# KiCad board mtt_final.kicad_pcb (continued)
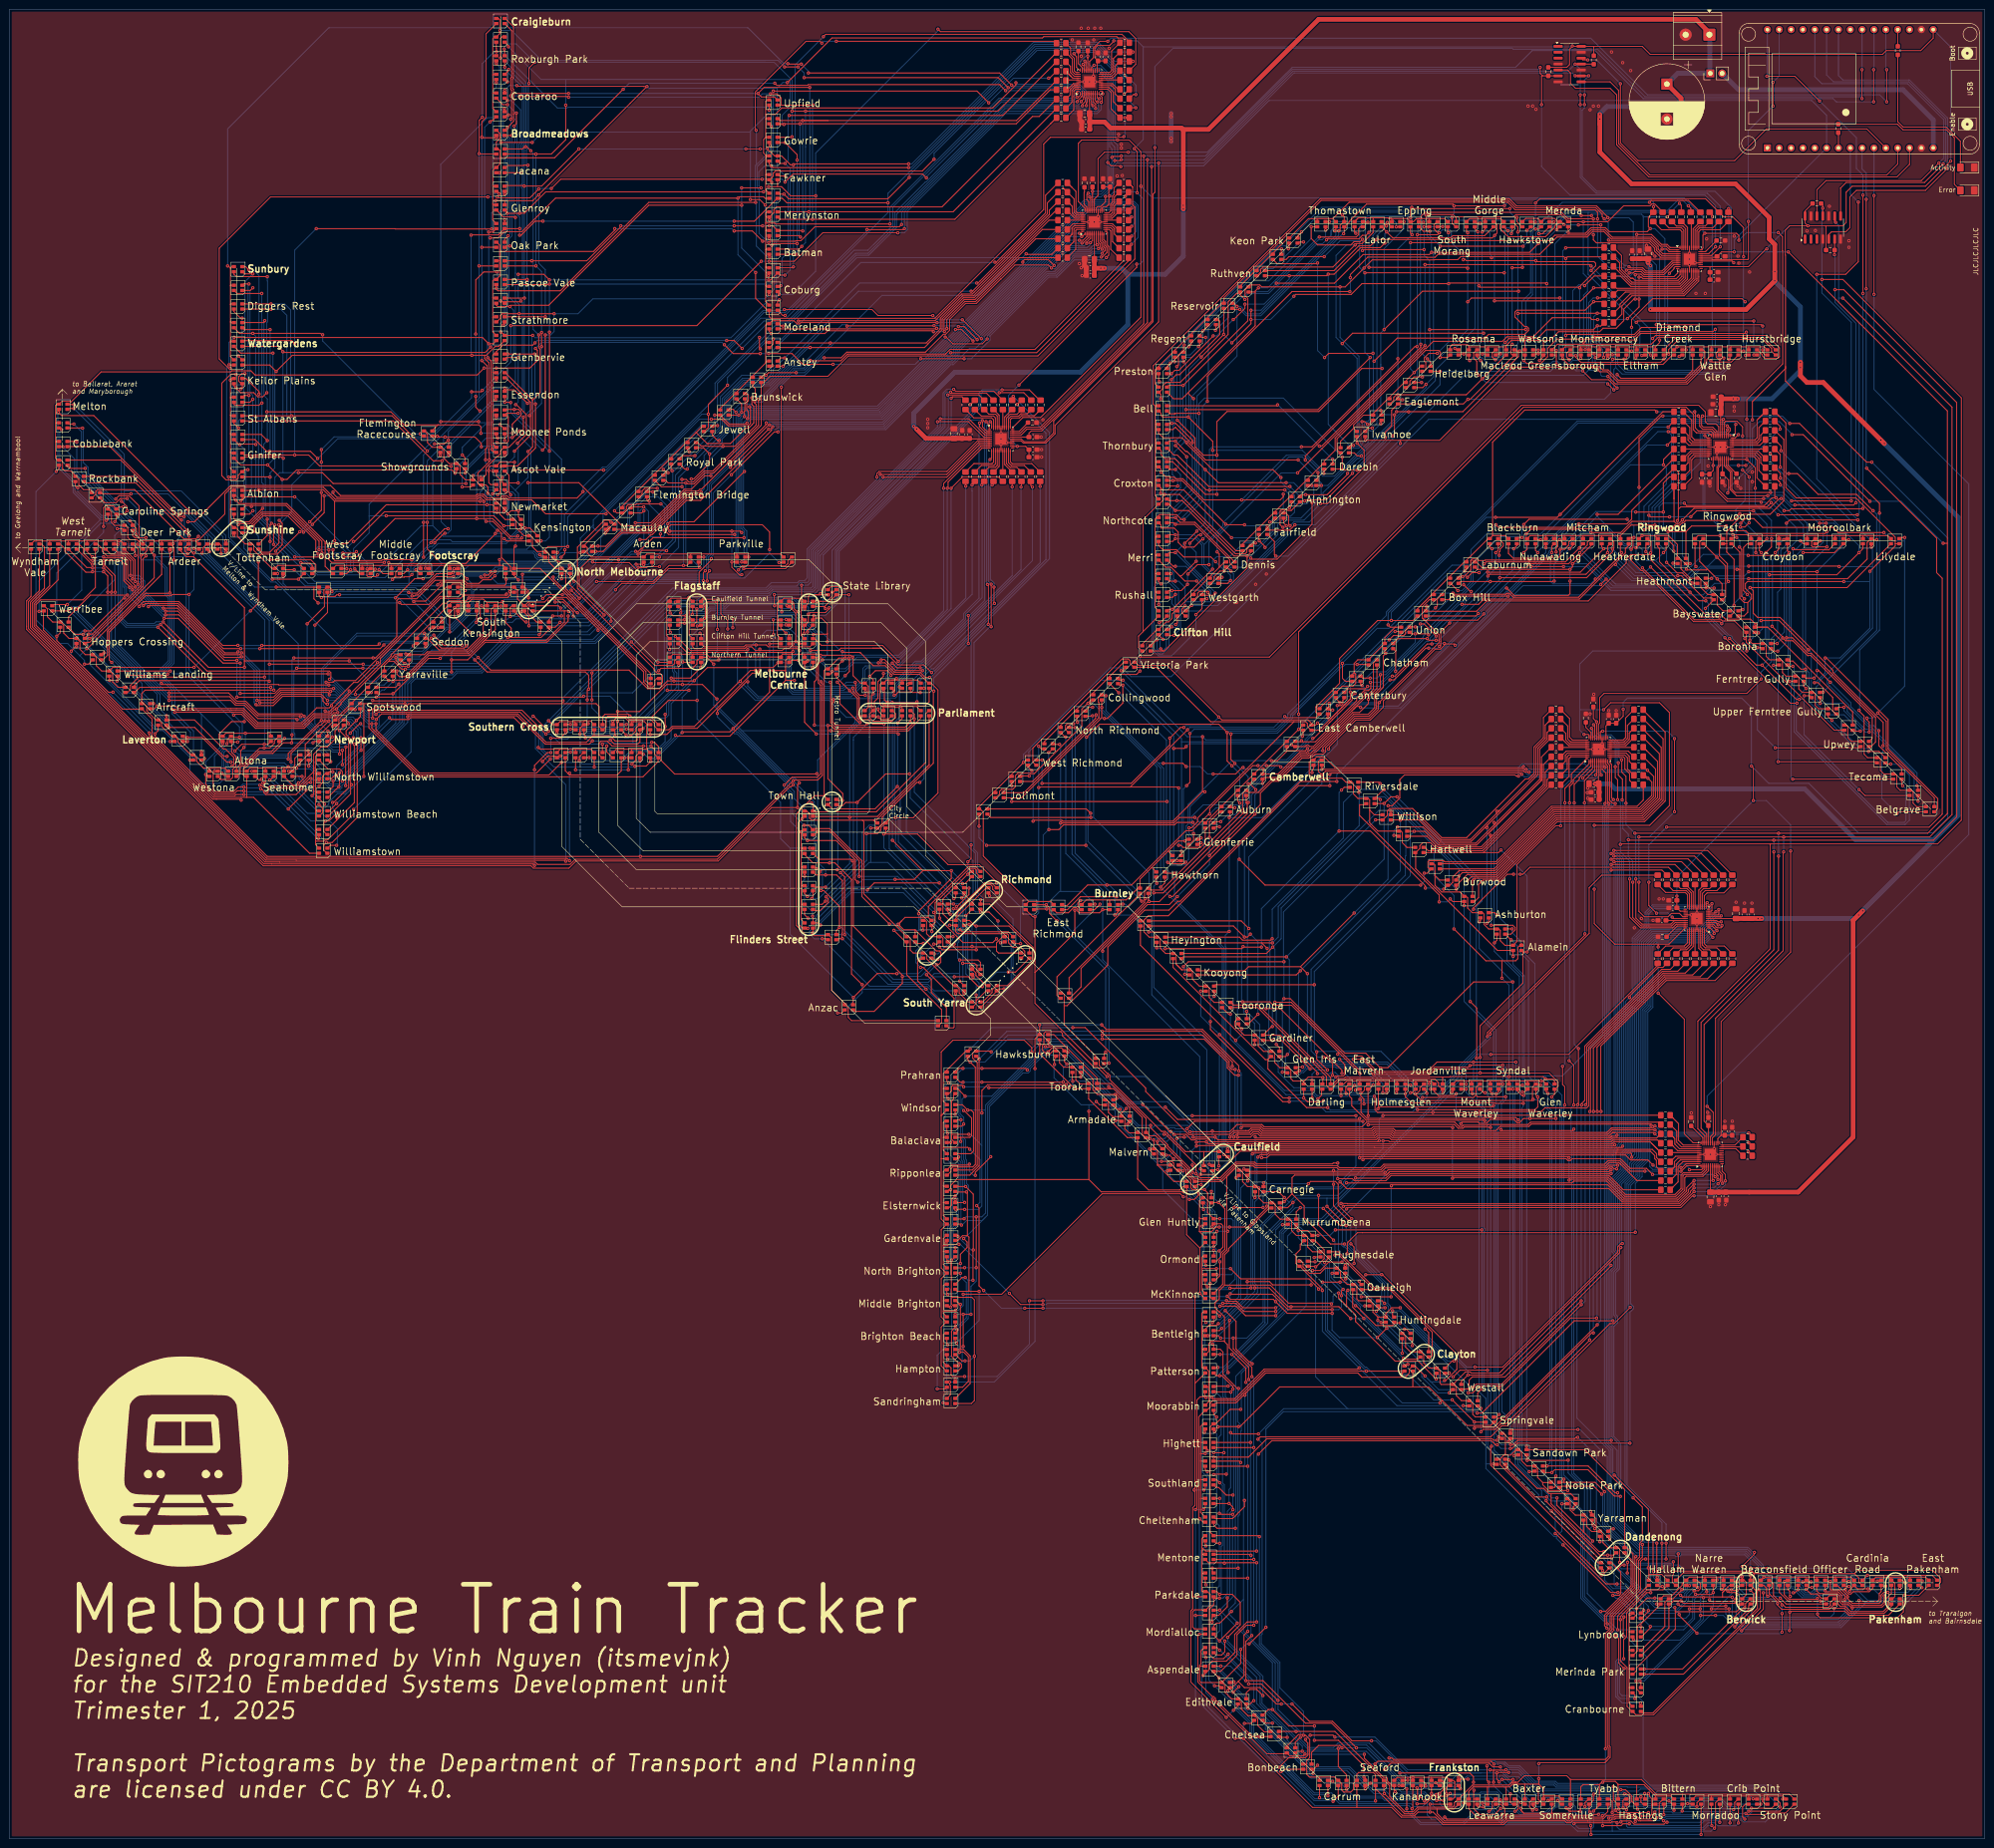
[diagram p0: board, top side]
## Routing (per net, layer and track width the routed paths; a pad name or vN(x,y) marks a point on that pad's centre or on a via; arc(x,y) is an arc through that point) (continued)
Net-(D11-RK): length 506.1
  Top w0.2: v1(199.1,388.2) 199.63,387.67 240.03,387.67 241.5,386.2 241.5,380.68 R14.2 ; v1(98.14,270.27) 97.01,271.4 D59.1 ; v1(172.88,352.44) 167.51,352.44 165.55,354.4 164.7,354.4 ; v1(161.7,353.3) 115.01,353.3 110.41,348.7 v1(109.41,348.7) 109.38,348.67 v1(106.7,348.67) 106.7,348.9 D11.1 ; v1(105.9,324.7) 106.2,325 D17.1 ; D29.1 97.7,293.01 v1(97.73,292.99) ; 58.8,296.1 58.6,296.3 ; v1(58.73,296.16) 58.47,296.42 50.22,296.42 D47.1 ; v1(165.06,331.3) 165.06,331.54 D71.1 ; v1(103.19,320.01) 102.02,318.84 58.81,318.84 v1(58.65,319) 58.65,319.1 57.6,320.15 D41.1 ; v1(56.65,277.65) 56.65,281.54 v1(56.92,281.81) ; v1(61.97,293.05) 67.11,293.05 69.44,290.72 v1(97.9,290.72) ; v1(58.7,270.8) D53.1 ; 164.7,354.4 D65.1 ; 164.7,354.4 v1(162.8,354.4) ; D23.1 106.2,299.97 v1(106.22,299.95) ; v1(121.07,269.73) 120.2,270.61 D35.1 ; 106.3,373.4 v1(106.8,372.9)
  Bottom w0.2: v1(56.65,277.65) 58.7,275.61 v1(58.7,270.8) 58.7,269.32 59.64,268.37 87.11,268.37 93.65,261.83 93.65,260.83 94.14,260.34 94.63,260.34 99.11,264.82 99.11,268.7 ; 58.7,293.05 57.95,293.05 56.92,292.02 v1(56.92,281.81) ; 58.7,293.05 v1(61.97,293.05) ; 58.7,293.05 58.65,293.1 v1(58.65,319) ; 106.2,324.7 106.22,324.68 106.22,323.05 v1(103.19,320.01) ; 106.2,324.7 106.31,324.81 106.31,345.81 106.8,346.3 106.8,348.57 v1(106.7,348.67) ; 106.2,324.7 v1(105.9,324.7) ; v1(97.9,290.72) 97.9,292.99 v1(97.73,292.99) 97.73,293.3 101.81,297.38 103.65,297.38 103.84,297.56 103.84,297.56 v1(106.22,299.95) ; v1(106.8,372.9) 107.6,372.9 109.6,370.9 109.6,363.87 109.21,363.48 109.21,348.9 v1(109.41,348.7) ; v1(121.07,269.73) 121.07,269.6 120.33,268.85 99.11,268.85 99.11,268.7 ; v1(98.14,270.27) 99.11,269.3 99.11,268.7 ; v1(165.06,331.3) 167.9,331.3 172.88,336.27 v1(172.88,352.44) 172.88,361.62 199.1,387.84 v1(199.1,388.2) ; v1(162.8,354.4) v1(161.7,353.3)
Net-(D12-BK): length 502.6
  Top w0.2: 103.82,297.56 103.4,297.98 103.4,298.93 103.25,299.08 103.25,317.05 v1(102.59,317.71) ; 103.82,297.56 103.47,297.91 v1(103.47,298.04) ; 103.82,297.56 104.24,297.56 ; v1(238.95,365.15) 238.8,365 223.2,365 221.76,363.56 221.76,349.5 198.42,326.16 163.28,326.16 162.9,326.55 162.9,327.55 ; D60.2 106.4,270.3 v1(106.5,270.2) 106.5,269.2 106.2,268.9 98,268.9 97.35,269.55 92.4,269.55 v1(91.82,268.98) ; v1(160,336) 160,330.45 162.9,327.55 ; D18.2 103.7,320.7 v1(102.78,320.7) 101.44,322.04 49.02,322.04 48.95,322.1 v1(48.2,322.1) ; D66.2 162.04,351.9 161.7,352.24 156.51,352.24 v1(156.21,351.94) 117.1,351.94 109.91,344.75 106.12,344.75 104.77,343.4 v1(103.1,343.4) ; 162.9,327.55 D72.2 ; D54.2 61.95,270.2 57.9,270.2 v1(56.4,270.2) ; v1(103.05,368.3) 103.33,368.59 103.59,368.59 D6.2 ; D36.2 137.05,247.8 136.47,248.38 136.47,250.41 116.6,270.28 v1(116.6,270.64) ; D12.2 103.66,344.66 v1(102.78,344.66) ; R19.2 239.17,369.19 v1(239.16,369.2) ; 97.1,290 99,290 D30.2 ; D42.2 47.15,316.15 v1(47.1,316.2) ; v1(47,292.1) 48.1,292.1
  Bottom w0.2: v1(156.21,351.94) 156.21,339.79 v1(160,336) ; v1(97.09,290) 97.09,293.22 101.86,298 103.38,298 103.42,298.04 v1(103.47,298.04) ; 102.78,343.4 v1(103.1,343.4) ; 102.78,343.4 v1(102.78,344.66) 101.9,345.54 101.9,367.15 v1(103.05,368.3) ; 102.78,343.4 v1(102.78,320.7) 102.5,320.42 102.5,317.8 v1(102.59,317.71) ; v1(116.6,270.64) 116.3,270.64 116.3,270.64 108.88,270.64 108.45,270.2 v1(106.5,270.2) ; v1(91.82,268.98) 91.62,268.77 63.43,268.77 v1(62,270.2) ; v1(239.16,369.2) 239.16,365.36 v1(238.95,365.15) ; v1(48.2,322.1) 47.1,321 v1(47.1,316.2) 46.6,315.7 46.6,292.5 v1(47,292.1) 47,290.05 47.02,290.03 47.02,279.21 56.03,270.2 v1(56.4,270.2)
Net-(D12-GK): length 453.9
  Top w0.2: v1(51.15,293.69) 50.39,293.69 D48.4 ; v1(71.7,275) 74.5,275 80.35,280.85 82.7,283.2 100.3,283.2 ; v1(106.1,371.2) 106.1,371.1 106.2,371 D6.4 ; v1(61.17,274.97) 66.77,274.97 66.8,275 v1(67,275) ; 106.29,298.5 107.1,298.5 110.2,301.6 v1(110.2,304.98) ; v1(62.5,273.75) 62.82,273.75 62.95,273.62 64.46,273.62 64.95,273.14 D54.4 ; v1(112.2,322.5) D18.4 105.5,323.2 v1(105.38,323.2) ; 48.1,314.2 48.5,314.2 v1(48.6,314.1) ; 48.1,314.2 47.5,314.2 45.57,312.27 45.57,292.4 46.47,291.5 48.67,291.5 49.05,291.88 49.05,292.45 49.85,293.25 ; 48.1,314.2 48.7,314.2 ; v1(106.2,347.3) D12.4 ; v1(108.5,277.3) 108.2,277 D60.4 113.82,272.5 136,250.32 136,248.13 137.03,247.1 137.97,247.1 138.4,247.53 138.4,248.5 138.8,248.9 D36.4 ; 106.07,298.5 105.3,297.73 105.3,297.1 104.75,296.55 104.61,296.55 102.19,294.14 102.19,292.59 101.6,292 v1(101.05,292) 101.05,291.75 ; v1(100.2,283.2) 103.62,283.2 107.44,279.38 108.92,279.38 v1(109,279.45) ; v1(241.53,371.33) 240.21,371.33 ; v1(49.1,318.1) D42.4 ; v1(192.94,356.39) 188.35,351.81 167.08,351.81 v1(166.08,352.81) 164.9,352.81 ; v1(165.09,330.11) 164.7,329.73 D72.4
  Bottom w0.2: 164.46,330.11 162.81,330.11 154.7,322 112.7,322 v1(112.2,322.5) 112,322.3 112,306.79 v1(110.2,304.98) ; 164.46,330.11 v1(165.09,330.11) ; 164.46,330.11 164.46,351.18 v1(166.08,352.81) ; v1(48.6,314.1) 48.6,317.8 48.9,318.1 v1(49.1,318.1) ; v1(108.5,277.3) 108.55,277.35 108.55,279 v1(109,279.45) ; v1(241.53,371.33) 240.41,372.46 240.41,376.7 233.04,384.07 220.16,384.07 192.94,356.85 v1(192.94,356.39) ; v1(51.15,293.69) 50.74,293.27 50.74,285.39 v1(61.17,274.97) 62.38,273.75 v1(62.5,273.75) ; v1(67,275) v1(71.7,275) ; v1(100.2,283.2) 100.2,290.6 101.05,291.45 v1(101.05,292) ; v1(105.38,323.2) 105.3,323.27 105.3,325.09 105.91,325.7 105.91,345.98 106.1,346.17 106.1,347.2 v1(106.2,347.3) 106.1,347.4 106.1,349 106.94,349.84 106.94,364.61 105.92,365.63 105.92,370.72 106.1,370.9 v1(106.1,371.2)
Net-(D12-RK): length 479.4
  Top w0.2: 164.63,351.9 159.73,347 v1(155.4,347) ; v1(102.6,288.6) 102.6,290 102.2,290.4 D30.1 100.75,290.4 100.45,290.7 100.45,292.96 102.9,295.41 102.9,297.2 102.8,297.3 102.8,316.65 101.9,317.55 101.9,318.24 ; 108.13,271.4 107.45,272.08 107.45,272.92 105.5,274.87 105.5,280.05 104.87,280.68 v1(104.64,280.68) ; D66.1 165.74,351.9 166.7,350.94 v1(188.38,350.94) ; 101.9,318.24 102.27,318.24 104.15,320.12 104.92,320.12 D18.1 ; 101.9,318.24 v1(99.15,318.24) 60.67,318.24 v1(57.2,314.77) 55.82,316.15 D42.1 ; v1(120.1,269.47) 120.1,269.09 138.19,250.99 138.19,250.76 138.97,249.98 139.52,249.98 140.05,249.45 140.05,248.1 139.75,247.8 D36.1 ; v1(109.41,344) 109.73,344 112.73,347 v1(114.4,347) ; 65.02,271.4 65.7,272.08 65.7,273.3 64.65,274.35 55.95,274.35 ; D60.1 108.2,270.97 v1(109.13,270.04) ; v1(55.9,292.1) 55.85,292.15 D48.1 ; D24.1 v1(106.2,296.8) ; D72.1 165.81,326.79 v1(166.32,326.79) ; v1(241.53,374.16) 240.98,374.16 240.55,373.72 ; v1(55.9,278.3) 55.9,281.86 v1(56.21,282.17) ; D6.1 106.6,369.8 106.7,369.8 ; 106.7,369.8 v1(107,369.8) ; 106.7,369.8 106.9,369.8 ; v1(109.41,345.4) D12.1 104.86,344.06 99.06,344.06 v1(99,344)
  Bottom w0.2: v1(99.15,318.24) 99,318.39 v1(99,344) ; 55.9,292.7 55.9,282.48 v1(56.21,282.17) ; 55.9,292.7 55.9,293 56.92,294.02 56.92,314.62 57.1,314.8 ; 55.9,292.7 v1(55.9,292.1) ; v1(106.2,296.8) 105.2,295.8 v1(102.9,295.8) ; v1(109.13,270.04) 116.35,270.04 116.85,270.03 117.2,270.39 117.2,270.4 117.7,270.9 119.6,270.9 120.1,270.4 v1(120.1,269.47) ; v1(109.41,344) v1(109.41,345.4) 109.4,345.41 109.4,347.86 108.81,348.45 108.81,368.41 107.42,369.8 v1(107,369.8) ; v1(166.32,326.79) 188.38,348.85 v1(188.38,350.94) 188.38,352.97 219.94,384.53 233.19,384.53 241.53,376.19 v1(241.53,374.16) ; v1(55.9,274.4) v1(55.9,278.3) ; v1(102.6,288.6) 102.6,288.4 103,288 103,282.2 104.52,280.68 v1(104.64,280.68) ; v1(155.4,347) v1(114.4,347)
Net-(D14-BK): length 443.5
  Top w0.2: v1(74.06,272.4) 75.06,271.4 D56.2 ; D44.2 48.15,307.77 48.42,307.5 53.51,307.5 54.01,308 v1(54.15,308) ; v1(104.44,383.35) 104.44,384.02 104.4,384.06 D2.2 ; v1(80.8,283.8) 103.87,283.8 v1(106.03,281.64) 107.64,281.64 D32.2 ; v1(104.4,312.7) 104.4,313.3 ; v1(162.9,343.3) D68.2 ; D14.2 v1(100.7,337.4) ; D38.2 48.8,331.5 v1(54.12,331.5) ; D50.2 48.15,283.17 48.81,282.51 51.41,282.51 v1(54.29,285.39) ; R7.2 223.01,377.69 v1(222.83,377.69) ; D8.2 100.8,361.4 v1(100.7,361.5) 100.7,368.6 v1(101.4,369.3) ; v1(163.79,374.92) 207.45,374.92 v1(209.98,372.39) ; v1(103.61,288.49) 104.4,289.29 ; v1(163.34,367.33) 162.84,367.83
  Bottom w0.2: v1(222.83,377.69) 215.27,377.69 v1(209.98,372.39) ; 100.75,309.05 100.7,309.1 100.7,336.6 100.7,336.6 v1(100.7,337.4) v1(100.7,361.5) ; 100.75,309.05 91.63,299.93 90.8,299.93 77.14,286.27 77.14,283.7 ; 100.75,309.05 v1(104.4,312.7) ; v1(103.61,288.49) 103.95,288.15 103.95,283.72 v1(106.03,281.64) ; v1(80.8,283.8) 77.24,283.8 77.14,283.7 ; v1(101.4,369.3) 101.4,380.82 103.93,383.35 105.45,383.35 117.52,371.28 119.54,371.28 119.7,371.44 163.74,371.44 163.79,371.4 ; 77.14,283.7 77.14,280.1 73.8,276.76 73.8,272.66 v1(74.06,272.4) 74.06,272.25 73.4,271.59 66.19,271.59 62.92,274.85 62.68,274.85 62.17,275.37 62.17,275.38 61.58,275.97 61.57,275.97 54.29,283.25 v1(54.29,285.39) 54.45,285.55 54.45,290.62 54.09,290.98 54.09,302.58 54.15,302.64 v1(54.15,308) 54.15,325.74 54.12,325.78 v1(54.12,331.5) ; 163.79,367.7 163.79,362.16 160.3,358.67 160.3,354.16 160.73,353.73 160.73,344.36 161.79,343.3 v1(162.9,343.3) ; 163.79,367.7 163.79,367.55 163.57,367.33 v1(163.34,367.33) ; 163.79,367.7 163.79,371.4 ; 163.79,371.4 v1(163.79,374.92)
Net-(D14-GK): length 421.1
  Top w0.2: D38.4 50.24,333.54 v1(51.37,333.54) ; v1(111.2,297.58) 112.18,298.55 112.18,308.6 ; D14.4 v1(112,338.5) 123.8,338.5 131.3,346 ; 112.18,308.6 113.8,310.22 113.8,319.55 113.5,319.85 v1(113.5,322.6) ; 112.18,308.6 112.18,308.66 106.33,314.5 ; D8.4 110,362.5 110.46,362.96 v1(110.67,362.96) 110.94,362.96 v1(111.8,362.1) ; D26.4 105.69,291.01 v1(105.69,292.03) ; 106.44,386.74 105.84,386.74 105.3,386.2 v1(105.3,382) ; v1(51.37,309.62) 50.32,309.62 D44.4 ; 223.91,376.59 215.91,368.59 175.5,368.59 ; 223.91,376.59 R6.2 223.91,376.59 ; D32.4 109.15,283.55 v1(109.15,284.86) 107.52,284.86 v1(106.86,284.21) ; v1(104.2,280.01) 104.2,279.89 97.86,273.55 81.52,273.55 v1(81.32,273.75) ; D62.4 165.11,368.59 175.5,368.59 ; v1(76.7,272.4) 77.35,272.4 ; v1(71.5,275.8) 74.1,275.8 v1(74.4,276.1) ; 77.34,272.5 76.65,271.81 76.65,270.99 76.9,270.74 78.54,270.74 v1(78.93,271.12) ; 175.5,368.59 v1(170.1,368.59) ; v1(162.9,346) 163.7,346 D68.4 170,345 v1(170.1,344.9) ; v1(67,275.8) 67,278.33 59.32,286.01 50.72,286.01 D50.4 ; v1(161.5,346) v1(155.4,346)
  Bottom w0.2: v1(170.1,368.59) v1(170.1,344.9) ; v1(110.67,362.96) 110.8,363.09 110.8,376.75 105.55,382 v1(105.3,382) ; v1(111.2,297.58) 111.2,292.04 108.45,289.28 ; v1(74.4,276.1) 76.7,273.8 v1(76.7,272.4) ; 108.45,289.28 v1(105.69,292.03) ; 108.45,289.28 109.15,288.58 v1(109.15,284.86) ; v1(81.32,273.75) 81.32,273.38 79.07,271.12 v1(78.93,271.12) ; v1(104.2,280.01) 105.91,280.01 106.86,280.96 v1(106.86,284.21) ; v1(67,275.8) v1(71.5,275.8) ; v1(51.37,333.54) 51.19,333.36 51.19,309.8 v1(51.37,309.62) 51.37,296.68 51.9,296.15 v1(51.9,285.8) ; 112.3,338.8 112.3,323.8 v1(113.5,322.6) ; 112.3,338.8 112.3,361.6 v1(111.8,362.1) ; 112.3,338.8 v1(112,338.5) ; v1(155.4,346) v1(131.1,346) ; v1(162.9,346) v1(161.5,346)
Net-(D14-RK): length 429.4
  Top w0.2: D50.1 51.49,284.15 v1(52.2,284.86) ; v1(166.08,367.76) 164.84,367.76 ; v1(78.44,272.34) 78.44,272.23 77.61,271.4 ; v1(52.2,332.71) 51.65,332.15 D38.1 ; D14.1 v1(112.9,337.4) ; D32.1 109.7,281.01 v1(109.71,281) ; D68.1 169.3,343.9 v1(169.6,343.6) ; R5.2 223.15,375.19 215.86,367.9 D62.1 ; 106.47,313.4 111.72,308.15 111.72,305.3 ; v1(119.29,371.88) 119.29,364.49 116.2,361.4 D8.1 ; D44.1 51.57,308.15 v1(52.2,308.79) ; 111.72,305.3 v1(111.5,305.3) ; 111.72,305.3 111.72,301.09 v1(108.3,297.67) ; v1(107,384.42) 107,384.6 D2.1 ; v1(114.1,320.1) 114.1,323.1 v1(114.11,323.11) ; v1(106.52,288.9) 106.2,289.22
  Bottom w0.2: v1(111.5,305.3) 114.1,307.9 v1(114.1,320.1) ; v1(112.9,361.4) v1(112.9,337.4) 114.1,336.2 114.1,323.13 v1(114.11,323.11) ; v1(52.2,332.71) 51.6,332.1 51.6,310.24 52.2,309.64 v1(52.2,308.79) 52.2,308.78 52.2,296.42 52.86,295.76 52.86,284.86 ; v1(108.3,297.67) 108.3,296.43 105.05,293.18 105.05,289.96 106.11,288.9 v1(106.52,288.9) 107.9,288.9 108.5,288.3 108.5,281.25 108.75,281 ; 78.25,271.12 78.25,272.15 v1(78.44,272.34) ; 78.25,271.12 66.09,271.12 62.75,274.45 62.51,274.45 61.77,275.2 61.77,275.21 61.41,275.57 61.4,275.57 52.86,284.11 52.86,284.86 ; 78.25,271.12 78.25,270.92 78.65,270.52 80.53,270.52 88.64,278.63 94.58,278.63 94.96,278.25 106.39,278.25 108.75,280.61 108.75,281 ; 119.29,377.4 v1(119.29,371.88) ; 119.29,377.4 167.07,377.4 167.42,377.05 167.42,371.46 165.69,369.73 165.69,368.15 v1(166.08,367.76) ; 119.29,377.4 114.02,377.4 v1(107,384.42) ; v1(169.6,343.6) 169.3,343.9 169.3,356.9 169.5,357.1 169.5,364 v1(169.5,367.9) ; 108.75,281 v1(109.71,281) ; 52.86,284.86 v1(52.2,284.86)
Net-(D15-BK): length 443
  Top w0.2: D33.2 106.59,278.4 v1(106.1,278.88) ; 100.85,306.25 100,307.1 v1(100,309.4) ; v1(48.15,279.6) D51.2 ; v1(104.25,308.7) 104.25,309.18 ; D39.2 48.15,327.62 49.57,326.2 v1(49.91,326.2) ; v1(104.55,336.1) 101.7,336.1 100,334.4 v1(100,322.8) ; v1(66.4,276.5) 66.4,278.37 60.2,284.57 54.03,284.57 51.58,282.11 49.31,282.11 v1(49.1,281.9) ; D3.2 v1(104.4,380.8) ; v1(68.5,276.5) 68.5,274.4 69.1,273.8 v1(80.4,273.8) ; v1(160.1,366.5) 159.9,366.7 159.9,374.7 170.8,385.6 173.8,385.6 v1(174.2,385.2) ; D9.2 v1(105.1,357.4) ; v1(163.1,363.2) 163.1,363.7 ; v1(49.14,302.63) 48.15,303.62 D45.2 ; v1(177.3,385.6) 224.1,385.6 ; D15.2 104.4,332.4 104.73,332.07 118.14,332.07 137.1,351.03 v1(160,351.03) ; v1(79.27,272.23) 80.1,271.4 D57.2 ; v1(163,339.3) 163,339.8 ; v1(92.4,296.74) D27.2
  Bottom w0.2: 47.72,282.3 47.72,280.03 v1(48.15,279.6) ; 47.72,282.3 47.72,311.31 48.29,311.89 49.91,311.89 ; 47.72,282.3 48.7,282.3 v1(49.1,281.9) ; 49.91,311.89 50.3,311.5 50.3,305.31 49.14,304.16 v1(49.14,302.63) ; 49.91,311.89 v1(49.91,326.2) ; v1(104.25,308.7) 103.95,308.4 103.4,308.4 100.7,305.7 ; 90.79,281.66 90.79,295.13 v1(92.4,296.74) D27.2 100.7,305.7 ; 90.79,281.66 88.29,281.66 79.27,272.65 v1(79.27,272.23) ; 90.79,281.66 93.04,279.41 105.58,279.41 v1(106.1,278.88) ; 100.7,305.7 100.9,305.9 v1(100.9,306.3) ; 163.1,362.4 163.1,362.18 ; 163.1,362.4 v1(163.1,363.2) ; 163.1,362.4 163.1,362.04 160.03,358.97 ; 160.16,351.03 159.9,351.29 159.9,358.84 160.03,358.97 ; 160.16,351.03 v1(160,351.03) ; 160.16,351.03 160.16,341.66 162.52,339.3 v1(163,339.3) ; v1(160.1,366.5) 160.16,366.44 160.16,359.1 160.03,358.97 ; v1(177.3,385.6) 174.6,385.6 v1(174.2,385.2) ; v1(104.4,332.6) 104.7,332.9 104.7,336.1 v1(104.55,336.1) 105.1,336.65 105.1,349.13 105.6,349.63 105.6,353.6 105.1,354.1 v1(105.1,357.4) 106.14,358.44 106.14,364.27 105.1,365.32 105.1,380.1 v1(104.4,380.8) ; v1(100,322.8) v1(100,309.4) ; v1(66.4,276.5) v1(68.5,276.5)
Net-(D15-GK): length 472
  Top w0.2: v1(106.2,311.2) 106.2,310.83 ; 106.2,310.83 D21.4 ; 106.2,310.83 108.19,310.83 v1(111.09,307.93) ; v1(88.8,282.4) v1(88.8,274.9) ; D63.4 167.7,365 v1(167.8,365.1) ; D3.4 106.2,383.84 v1(106.1,383.94) ; 223.91,382.59 R9.2 223.91,382.59 ; 223.91,382.59 211.94,370.62 v1(167.8,370.62) ; D27.4 94.2,300 v1(94.12,300.08) 93.23,299.19 91.2,299.19 91.2,299.2 v1(91.18,299.22) ; D69.4 169.3,341 v1(169.9,341.6) ; v1(111.4,376.55) 111.4,376.88 111.4,376.88 111.4,379.86 v1(112.62,381.08) ; 82.64,270.64 84.65,270.64 84.72,270.71 85.82,270.71 v1(86.3,271.19) ; 82.64,270.64 82.82,270.82 82.82,271.73 83.59,272.5 ; 82.64,270.64 v1(82.15,270.15) ; D39.4 v1(56.1,329.25) ; 113.2,279.59 111.6,281.18 v1(110.52,281.18) ; D45.4 v1(60.5,305.25) 82.05,305.25 v1(89.6,297.7) ; v1(111.2,359) 110.8,359 110.78,359.02 110.36,359.02 110.28,358.94 106.9,358.94 106.46,358.5 ; v1(111.01,334.5) D15.4 ; v1(50.91,281.25) D51.4
  Bottom w0.2: v1(82.15,270.15) 81.72,269.72 65.43,269.72 53.91,281.25 v1(50.91,281.25) ; v1(170.7,370.62) 170.7,362.96 170.7,362.96 170.7,342.4 v1(169.9,341.6) ; v1(111.4,376.55) 111.27,376.41 111.27,362.71 110.87,362.31 110.87,358.93 110.98,358.82 ; v1(86.3,271.19) 86.53,271.42 86.53,272.46 91.93,277.85 106.55,277.85 109,280.3 109.92,280.3 110.52,280.9 v1(110.52,281.18) ; v1(88.8,282.4) 88.8,296.85 v1(91.18,299.22) ; v1(111.2,359) 111.02,358.82 110.98,358.82 ; 60.6,305.3 60.3,305.6 60.3,328 59.05,329.25 v1(56.1,329.25) ; 110.98,358.82 110.98,334.53 v1(111.01,334.5) 111.39,334.12 111.39,308.24 v1(111.09,307.93) ; v1(167.8,365.1) v1(167.8,370.62) 167.84,370.66 167.84,377.23 164,381.08 v1(112.62,381.08) 108.68,385.03 106.75,385.03 106.1,384.37 v1(106.1,383.94) ; v1(106.2,311.2) 103.5,311.2 103.48,311.22 94.12,301.86 v1(94.12,300.08)
Net-(D15-RK): length 478
  Top w0.2: v1(115.79,297.69) 115.79,302.39 115.8,302.4 v1(115.8,323.2) ; v1(168.9,339.9) D69.1 ; 223.91,380.59 R8.2 223.91,380.59 ; 223.91,380.59 213.01,369.69 v1(167.2,369.69) ; v1(168.9,342.2) 163.8,342.2 v1(163.43,341.82) ; v1(69.4,276.5) 69.4,274.6 69.8,274.2 79.8,274.2 80,274.4 86.2,274.4 v1(86.25,274.35) ; v1(107.49,308.1) 107.39,308.1 107.32,308.17 v1(106.22,308.17) 106.2,308.19 106.2,309.33 ; v1(114,278.4) D33.1 ; v1(66.24,275.57) 65.7,276.1 65.7,278.5 60.03,284.17 54.2,284.17 52.07,282.03 52.07,281.56 50.66,280.15 D51.1 ; v1(92.8,295.6) 90.85,295.6 82.3,304.15 v1(59.5,304.15) D45.1 ; v1(106.22,380.05) 106.2,380.08 D3.1 ; v1(94.2,296.8) D27.1 ; D15.1 v1(109.81,333.4) 115.7,333.4 v1(115.8,333.5) ; v1(85.39,272.23) 84.56,271.4 D57.1 ; D39.1 54.75,328.15 54.8,328.1 v1(56.1,328.1) ; v1(90.39,278.03) 90.39,278.08 93.32,281.01 v1(94.07,281.01) ; v1(109.81,357.4) D9.1 ; 164.74,363.86 v1(166.32,363.86) 168.9,361.27 v1(168.9,360.1)
  Bottom w0.2: v1(56.1,328.1) 58.2,328.1 59.5,326.8 v1(59.5,304.15) ; v1(168.9,360.1) v1(168.9,339.9) ; 86.13,273.77 86.25,273.89 v1(86.25,274.35) 86.71,274.35 86.78,274.42 ; 86.13,273.77 85.39,273.04 v1(85.39,272.23) ; 86.13,273.77 86.78,274.42 ; v1(115.8,323.2) v1(115.8,333.5) 163.2,333.5 163.6,333.9 163.6,341.65 v1(163.43,341.82) ; v1(109.81,333.4) 109.81,333.42 110.01,333.62 110.01,334.08 110.01,334.08 110.01,334.92 110.01,354 109.78,354.23 109.78,354.87 110.01,355.1 110.01,362.2 109.67,362.54 109.67,363.37 110,363.7 110,375.79 106.3,379.49 106.29,379.49 106.22,379.55 v1(106.22,380.05) ; v1(94.07,281.02) 92.59,282.5 92.59,295.36 93.53,296.31 ; v1(90.39,278.03) 86.78,274.42 ; v1(106.22,308.17) 105.93,308.17 105.93,308.16 105.58,307.8 103.5,307.8 94.54,298.84 94.54,297.14 v1(94.2,296.8) 94,296.8 v1(92.8,295.6) ; v1(66.24,275.57) 65.7,276.1 65.7,276.65 66.15,277.1 69,277.1 69.4,276.7 v1(69.4,276.5) ; v1(114,278.4) 114.98,278.4 115.79,279.21 v1(115.79,297.69) 115.73,297.69 107.49,305.92 v1(107.49,308.1) ; v1(166.32,363.86) 166.95,364.48 166.95,369.26 167.2,369.52 v1(167.2,369.69)
Net-(D100-BK): length 443.7
  Top w0.2: D82.2 139.77,290.03 v1(144.21,290.03) ; v1(16.11,251.97) 16.97,251.97 D94.2 ; v1(120.45,267.85) v1(122.2,266.1) ; D142.2 32.65,271.21 16.74,255.31 v1(16.61,255.31) ; v1(60.4,231) 60.4,232.83 66.43,238.87 66.77,238.87 67.7,239.8 67.7,239.84 v1(67.7,239.85) ; v1(125.9,269.69) 137.99,269.69 141.45,273.15 v1(144.54,273.15) 145.3,273.15 D88.2 ; D106.2 62.4,230.63 v1(62.14,230.38) ; v1(10.04,293.32) 10.65,293.93 D136.2 ; v1(171.72,317.14) 171.8,317.06 178.27,317.06 179.71,318.5 200.8,318.5 200.8,318.6 201.69,319.49 219.86,319.49 238.93,338.56 238.93,350.22 R32.2 ; v1(74.2,245.5) 74.2,246.07 81.85,253.72 81.85,253.95 92.93,265.03 93.77,265.03 94.28,265.55 97.91,265.55 v1(98.51,266.15) 98.66,266.3 106.87,266.3 107.3,266.73 v1(107.3,267.5) 107.4,267.4 D130.2 ; v1(97.4,264.5) 97.4,263.95 97.95,263.4 D124.2 ; D76.2 159.4,311.57 159.91,311.05 159.91,309.02 160.14,308.8 v1(160.6,308.8) 160.6,308.33 160.63,308.3 160.63,303.21 150.82,293.4 148.99,293.4 146.62,291.03 145.69,291.03 145.12,291.6 v1(144.2,291.6) ; v1(38.7,231.4) D100.2 ; D112.2 66.4,223.11 v1(67.56,221.95) ; v1(72.85,246.23) 72.85,245.95 72.1,245.2 72.1,245.2 69.5,242.6 69.43,242.6 68.57,241.74 67.9,241.74 v1(67.7,241.94) ; v1(77.6,245.9) D118.2
  Bottom w0.2: v1(120.45,267.85) 120.25,268.05 109.45,268.05 108.8,267.4 107.4,267.4 v1(107.3,267.5) ; v1(67.7,239.85) 67.7,239.85 v1(67.7,241.94) ; v1(97.4,264.5) 97.4,265.04 v1(98.51,266.15) ; v1(16.61,255.31) 15.11,253.8 ; 15.11,253.8 12.5,256.41 10.81,256.41 5.72,261.49 5.72,289 v1(10.04,293.32) ; 15.11,253.8 16.11,252.79 v1(16.11,251.97) 17.17,251.97 31.41,237.73 32.97,237.73 38.7,232 v1(38.7,231.4) 38.7,228.67 40.96,226.41 45.07,226.41 46.28,227.61 46.28,228.74 46.01,229 46.01,233.04 46.27,233.3 47.56,233.3 48.65,232.21 59.3,232.21 60.05,232.21 60.4,231.86 60.4,231.5 60.4,231.5 v1(60.4,231) 60.4,230.4 ; 60.4,230.4 60.4,229.5 62.14,227.76 62.14,227.36 v1(67.56,221.95) ; 60.4,230.4 60.42,230.38 v1(62.14,230.38) ; v1(171.72,317.14) 171.72,316.86 170.37,315.5 168.12,315.5 161.42,308.8 v1(160.6,308.8) ; v1(125.9,269.69) 125.79,269.69 v1(122.2,266.1) ; v1(144.2,291.6) 144.2,290.04 v1(144.21,290.03) 144.54,289.7 v1(144.54,273.15) ; v1(77.6,245.9) 77.2,245.5 v1(74.2,245.5) 74.15,245.55 73.35,245.55 72.85,246.05 v1(72.85,246.23)
Net-(D100-GK): length 424.8
  Top w0.2: D118.4 82.8,247 v1(83.5,247.7) ; v1(239.26,352.35) 239.26,352.6 239.93,353.27 ; v1(33.95,249.85) 33.7,249.6 25.6,249.6 v1(25.4,249.4) ; D136.4 23.88,295.75 36.73,282.9 v1(36.9,282.9) ; 34.53,277.75 35.29,276.99 v1(35.29,274.3) ; v1(100.97,261.77) 100.97,263.81 100.27,264.5 ; v1(137,272) 136.85,271.85 134.8,271.85 132.9,273.75 125.18,273.75 v1(125.03,273.9) ; 140.71,293.01 D82.4 ; 140.71,293.01 v1(141.22,293.01) ; 140.71,293.01 140.71,293.25 v1(140.2,293.75) ; D112.4 69.42,225.72 v1(69.42,226.93) ; v1(100.4,265.2) 100.2,265 D124.4 ; v1(41.2,233.2) D100.4 ; v1(111.3,266.2) 111.3,267.65 110.45,268.5 D130.4 v1(110,271.24) ; D76.4 161.65,313.95 v1(162.21,313.95) 162.77,314.5 v1(168.7,314.5) ; D106.4 64.2,233.23 v1(64.04,233.39) ; v1(148.89,274.95) D88.4 ; 19.9,254 v1(20.3,254.4)
  Bottom w0.2: 25.4,249.74 v1(25.4,249.4) ; 25.4,249.74 20.74,254.4 v1(20.3,254.4) ; 25.4,249.74 25.4,249.6 ; v1(239.26,352.35) 238.51,351.6 230.5,351.6 229.6,350.7 229.6,350.23 218.16,338.8 215.4,338.8 207.7,331.1 187.1,331.1 170.5,314.5 v1(168.7,314.5) ; v1(137,272) 148.17,272 148.89,272.71 v1(148.89,274.95) ; v1(100.97,261.77) 100.08,261.77 93.3,254.99 90.6,254.99 88.68,253.07 84.84,253.07 83.7,251.93 83.7,239.59 71.61,227.5 71.15,227.5 70.8,227.15 70.8,226.93 v1(69.42,226.93) 64.04,232.31 64.04,233.37 ; 39.97,242.47 41.2,241.24 41.2,233.2 v1(41.2,233.2) ; 39.97,242.47 33.64,248.8 33.64,250.49 35.29,252.15 v1(35.29,274.3) ; 39.97,242.47 46.23,236.2 46.6,236.2 49.43,233.37 64.04,233.37 ; v1(111.3,266.2) 110.7,266.2 110.7,266.2 101.4,266.2 v1(100.4,265.2) ; 64.04,233.37 v1(64.04,233.39) ; v1(140.2,293.75) 148.45,302 151.53,302 152.43,302.9 152.43,309.33 157.05,313.95 v1(162.21,313.95) ; v1(110,271.24) 110.36,271.59 116.77,271.59 116.97,271.4 120.93,271.4 123.43,273.9 v1(125.03,273.9) 125.03,274.03 131.27,280.27 132.32,280.27 132.98,280.93 132.98,285.07 140.91,293.01 v1(141.22,293.01) ; v1(35.1,277.8) 36.9,279.6 v1(36.9,282.9)
Net-(D100-RK): length 453.2
  Top w0.2: v1(16.27,293.97) 13.13,293.97 D136.1 ; v1(35.46,241.66) 47.85,241.66 47.85,241.66 48.35,241.66 48.35,241.66 49.91,241.66 52.96,238.61 63.04,238.61 65.36,240.94 68.94,240.94 69.55,241.55 70.35,241.55 v1(70.4,241.6) ; D106.1 64.2,231.07 64.19,231.06 v1(64.19,230.09) ; 240.84,354.31 R30.2 240.84,354.31 ; 240.84,354.31 240.83,354.31 240.83,350.47 241.3,350 241.3,338.88 220.52,318.1 179.88,318.1 175.5,313.73 163.06,313.73 161.73,312.4 D76.1 161.2,308.5 161.2,308.5 161.2,303.22 150.98,293 149.15,293 146.78,290.63 145.24,290.63 v1(145.03,290.85) 141.26,290.85 140.7,291.4 D82.1 ; v1(92.38,253.21) 89.88,253.21 82.32,245.65 v1(82.25,245.65) 82.18,245.58 79.02,245.58 D118.1 ; D142.1 34.45,275.38 34.42,275.35 v1(34.42,267.24) 34.34,267.16 29.17,267.16 21.04,259.03 21.04,253.86 20.07,252.9 D94.1 ; v1(129.96,267.91) 129.96,267.95 131.3,269.29 138.16,269.29 141.33,272.46 147.79,272.46 v1(148.02,272.7) 147.8,272.92 D88.1 ; 68.32,223.4 70.6,225.68 v1(70.65,225.68) 70.65,225.73 70.8,225.87 70.8,228.61 v1(70.77,228.64) ; v1(110.7,267.4) D130.1 ; 75.4,236.26 v1(75.4,233.5) ; v1(41.83,231.72) 41.51,231.4 ; v1(100.11,260.94) 100.2,261.03 D124.1
  Bottom w0.2: v1(145.03,290.85) 145.03,275.69 v1(148.02,272.7) ; v1(92.38,253.21) v1(100.11,260.94) 107.85,260.94 108.6,261.7 118.2,261.7 ; 118.3,261.7 118.2,261.7 ; 118.3,261.7 123.75,261.7 v1(129.96,267.91) ; 118.3,261.7 118.1,261.7 ; 118.2,261.7 118.17,261.7 117.6,262.26 117.6,265.7 115.9,267.4 v1(110.7,267.4) ; v1(64.19,230.09) 64.47,230.09 68.68,225.87 70.33,225.87 70.53,225.68 v1(70.65,225.68) ; v1(34.42,267.24) 34.89,266.77 34.89,252.32 33.23,250.66 33.23,248.63 35.46,246.41 v1(35.46,241.66) 39.48,237.64 39.48,232.36 40.11,231.72 v1(41.83,231.72) ; v1(34.5,276.1) 34.34,275.94 33.54,275.94 26,283.49 25.75,283.49 16.27,292.97 v1(16.27,293.97) ; v1(70.77,228.64) 70.77,228.87 82.2,240.31 82.2,245.6 v1(82.25,245.65) ; v1(75.36,236.17) 75.36,238.07 73.23,240.2 71.06,240.2 70.4,240.86 70.4,241.6 v1(70.4,241.6)
Net-(D101-BK): length 497.9
  Top w0.2: v1(111.4,260.2) 111.4,262.08 110.4,263.08 D131.2 ; v1(64.65,227.45) 64.6,227.4 64.32,227.4 62.28,225.37 56.02,225.37 v1(55.25,224.6) ; 50.4,252.6 50.4,264.09 39.47,275.02 37.94,275.02 36.65,276.32 D143.2 ; 50.4,252.6 50.48,252.68 v1(72.88,252.68) ; 50.4,252.6 v1(50.4,251.3) 42.7,251.3 32.98,261.02 v1(32.98,261.03) ; R35.2 240.6,345.89 v1(240.6,345.9) ; 135.1,287.9 135.65,288.45 135.65,289.12 136.23,289.7 v1(138.9,289.7) ; v1(141.6,280.5) v1(154.9,280.5) 156.7,280.5 v1(157,280.2) ; D137.2 14.15,290.15 14.51,289.79 v1(14.66,289.79) ; 45.59,235.4 44.96,236.03 44.96,236.97 47.64,239.65 v1(50.37,239.65) ; D119.2 81.3,248.5 v1(81.36,248.5) ; D113.2 v1(66.4,226.7) ; v1(157.03,271.17) 156.95,271.1 156.56,271.1 154.9,272.76 v1(154.9,273.9) 155.95,273.9 ; v1(45.73,234.9) D107.2 ; v1(50.3,224.8) 48.83,224.8 48.23,224.2 44.11,224.2 42.1,226.21 v1(42.1,228.3) 42.35,228.05 42.75,228.05 ; D77.2 157,307.8 v1(157,306) ; 102.33,263.4 101.25,264.48 v1(101.25,264.5) ; 110.29,263.29 v1(109.8,263.29) ; D95.2 21.4,248.59 v1(21.49,248.49)